# KiCad board demomatrix.kicad_pcb (continued)
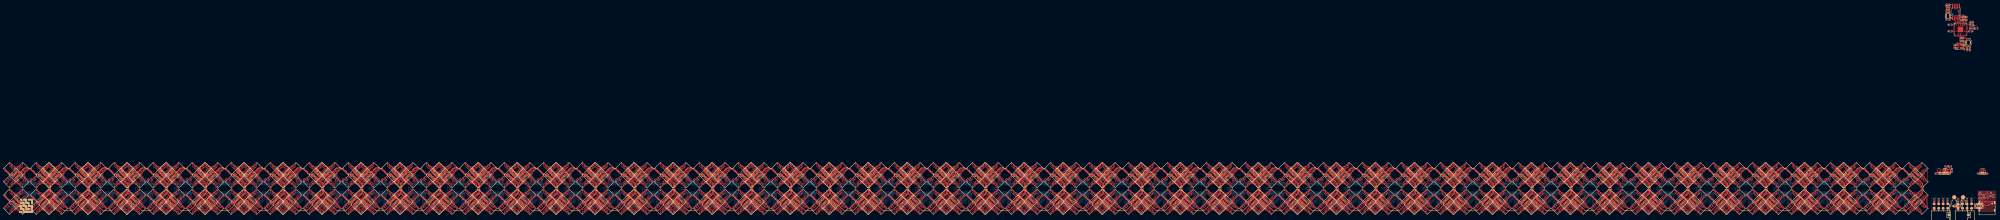
[diagram p0: board, top side]
## Routing (per net, layer and track width the routed paths; a pad name or vN(x,y) marks a point on that pad's centre or on a via; arc(x,y) is an arc through that point) (continued)
rgbs[2]-anodes-anode-559: length 1.8
  Top w0.2: LED654.7 -312.47,6.23 -312.47,4.96 LED655.8
rgbs[2]-anodes-anode-560: length 9.5
  Top w0.2: LED658.3 -304.07,23.22 -304.42,23.22 -304.43,23.22 -305.07,23.22 -306.55,21.75 -306.55,21.5 -305.87,20.82 -305.87,20.36 -306.55,19.69 -306.55,19.44 -304.88,17.77 -304.26,17.77 LED659.4
rgbs[2]-anodes-anode-561: length 12.3
  Top w0.2: -303.51,17.12 -304.79,17.12 -306.95,19.28 -306.95,19.86 -306.27,20.53 -306.27,20.66 -306.95,21.33 -306.95,21.91 -304.78,24.08 -303.23,24.08 LED658.1
rgbs[2]-anodes-anode-562: length 3.7
  Top w0.2: LED659.6 -304.72,19.02 -304.72,20.02 -305.07,20.37 -305.07,20.81 -304.72,21.16 -304.72,22.18 LED658.5
rgbs[2]-anodes-anode-563: length 1.8
  Top w0.2: LED659.8 -305.47,19.96 -305.47,21.23 LED658.7
rgbs[2]-anodes-anode-564: length 9.5
  Top w0.2: LED663.4 -289.26,17.77 -289.88,17.77 -291.55,19.44 -291.55,19.69 -290.87,20.36 -290.87,20.82 -291.55,21.5 -291.55,21.75 -290.07,23.22 -289.43,23.22 -289.42,23.22 -289.07,23.22 LED662.3
rgbs[2]-anodes-anode-565: length 19.4
  Top w0.2: -288.51,17.12 -289.79,17.12 -291.95,19.28 -291.95,19.86 -291.27,20.53 -291.27,20.66 -291.95,21.33 -291.95,21.91 -289.78,24.08 -288.23,24.08 LED662.1 -287.73,23.58 -287.73,17.61 LED663.2
rgbs[2]-anodes-anode-566: length 3.7
  Top w0.2: LED662.5 -289.72,22.18 -289.72,21.16 -290.07,20.81 -290.07,20.37 -289.72,20.02 -289.72,19.02 LED663.6
rgbs[2]-anodes-anode-567: length 1.8
  Top w0.2: LED663.8 -290.47,19.96 -290.47,21.23 LED662.7
rgbs[2]-anodes-anode-568: length 9.5
  Top w0.2: LED666.3 -304.07,8.22 -304.42,8.22 -304.43,8.22 -305.07,8.22 -306.55,6.75 -306.55,6.5 -305.87,5.82 -305.87,5.36 -306.55,4.69 -306.55,4.44 -304.88,2.77 -304.26,2.77 LED667.4
rgbs[2]-anodes-anode-569: length 12.3
  Top w0.2: -303.51,2.12 -304.79,2.12 -306.95,4.28 -306.95,4.86 -306.27,5.53 -306.27,5.66 -306.95,6.33 -306.95,6.91 -304.78,9.08 -303.23,9.08 LED666.1
rgbs[2]-anodes-anode-570: length 3.7
  Top w0.2: LED666.5 -304.72,7.18 -304.72,6.16 -305.07,5.81 -305.07,5.37 -304.72,5.02 -304.72,4.02 LED667.6
rgbs[2]-anodes-anode-571: length 1.8
  Top w0.2: LED666.7 -305.47,6.23 -305.47,4.96 LED667.8
rgbs[2]-anodes-anode-572: length 14.9
  Top w0.2: -289.42,8.22 -289.07,8.22 LED670.3 -288.58,7.73 -288.58,3.46 LED671.4 -289.26,2.77 -289.88,2.77 -291.55,4.44 -291.55,4.69 -290.87,5.36 -290.87,5.82 -291.55,6.5 -291.55,6.75 -290.07,8.22 -289.43,8.22 -289.42,8.22
rgbs[2]-anodes-anode-573: length 19.4
  Top w0.2: -288.51,2.12 -289.79,2.12 -291.95,4.28 -291.95,4.86 -291.27,5.53 -291.27,5.66 -291.95,6.33 -291.95,6.91 -289.78,9.08 -288.23,9.08 LED670.1 -287.73,8.58 -287.73,2.61 LED671.2
rgbs[2]-anodes-anode-574: length 3.7
  Top w0.2: LED671.6 -289.72,4.02 -289.72,5.02 -290.07,5.37 -290.07,5.81 -289.72,6.16 -289.72,7.18 LED670.5
rgbs[2]-anodes-anode-575: length 1.8
  Top w0.2: LED671.8 -290.47,4.96 -290.47,6.23 LED670.7
rgbs[2]-anodes-anode-576: length 9.5
  Top w0.2: LED674.3 -282.07,23.22 -282.42,23.22 -282.43,23.22 -283.07,23.22 -284.55,21.75 -284.55,21.5 -283.87,20.82 -283.87,20.36 -284.55,19.69 -284.55,19.44 -282.88,17.77 -282.26,17.77 LED675.4
rgbs[2]-anodes-anode-577: length 12.3
  Top w0.2: -281.51,17.12 -282.79,17.12 -284.95,19.28 -284.95,19.86 -284.27,20.53 -284.27,20.66 -284.95,21.33 -284.95,21.91 -282.78,24.08 -281.23,24.08 LED674.1
rgbs[2]-anodes-anode-578: length 3.7
  Top w0.2: LED674.5 -282.72,22.18 -282.72,21.16 -283.07,20.81 -283.07,20.37 -282.72,20.02 -282.72,19.02 LED675.6
rgbs[2]-anodes-anode-579: length 1.8
  Top w0.2: LED674.7 -283.47,21.23 -283.47,19.96 LED675.8
rgbs[2]-anodes-anode-580: length 9.5
  Top w0.2: LED679.4 -267.26,17.77 -267.88,17.77 -269.55,19.44 -269.55,19.69 -268.87,20.36 -268.87,20.82 -269.55,21.5 -269.55,21.75 -268.07,23.22 -267.43,23.22 -267.42,23.22 -267.07,23.22 LED678.3
rgbs[2]-anodes-anode-581: length 19.4
  Top w0.2: -266.51,17.12 -267.79,17.12 -269.95,19.28 -269.95,19.86 -269.27,20.53 -269.27,20.66 -269.95,21.33 -269.95,21.91 -267.78,24.08 -266.23,24.08 LED678.1 -265.73,23.58 -265.73,17.61 LED679.2
rgbs[2]-anodes-anode-582: length 3.7
  Top w0.2: LED679.6 -267.72,19.02 -267.72,20.02 -268.07,20.37 -268.07,20.81 -267.72,21.16 -267.72,22.18 LED678.5
rgbs[2]-anodes-anode-583: length 1.8
  Top w0.2: LED679.8 -268.47,19.96 -268.47,21.23 LED678.7
rgbs[2]-anodes-anode-584: length 9.5
  Top w0.2: LED682.3 -282.07,8.22 -282.42,8.22 -282.43,8.22 -283.07,8.22 -284.55,6.75 -284.55,6.5 -283.87,5.82 -283.87,5.36 -284.55,4.69 -284.55,4.44 -282.88,2.77 -282.26,2.77 LED683.4
rgbs[2]-anodes-anode-585: length 12.3
  Top w0.2: LED682.1 -281.23,9.08 -282.78,9.08 -284.95,6.91 -284.95,6.33 -284.27,5.66 -284.27,5.53 -284.95,4.86 -284.95,4.28 -282.79,2.12 -281.51,2.12
rgbs[2]-anodes-anode-586: length 3.7
  Top w0.2: LED682.5 -282.72,7.18 -282.72,6.16 -283.07,5.81 -283.07,5.37 -282.72,5.02 -282.72,4.02 LED683.6
rgbs[2]-anodes-anode-587: length 1.8
  Top w0.2: LED683.8 -283.47,4.96 -283.47,6.23 LED682.7
rgbs[2]-anodes-anode-588: length 14.9
  Top w0.2: -267.42,8.22 -267.07,8.22 LED686.3 -266.58,7.73 -266.58,3.46 LED687.4 -267.26,2.77 -267.88,2.77 -269.55,4.44 -269.55,4.69 -268.87,5.36 -268.87,5.82 -269.55,6.5 -269.55,6.75 -268.07,8.22 -267.43,8.22 -267.42,8.22
rgbs[2]-anodes-anode-589: length 19.4
  Top w0.2: -266.51,2.12 -267.79,2.12 -269.95,4.28 -269.95,4.86 -269.27,5.53 -269.27,5.66 -269.95,6.33 -269.95,6.91 -267.78,9.08 -266.23,9.08 LED686.1 -265.73,8.58 -265.73,2.61 LED687.2
rgbs[2]-anodes-anode-590: length 3.7
  Top w0.2: LED687.6 -267.72,4.02 -267.72,5.02 -268.07,5.37 -268.07,5.81 -267.72,6.16 -267.72,7.18 LED686.5
rgbs[2]-anodes-anode-591: length 1.8
  Top w0.2: LED687.8 -268.47,4.96 -268.47,6.23 LED686.7
rgbs[2]-anodes-anode-592: length 9.5
  Top w0.2: LED691.4 -260.26,17.77 -260.88,17.77 -262.55,19.44 -262.55,19.69 -261.87,20.36 -261.87,20.82 -262.55,21.5 -262.55,21.75 -261.07,23.22 -260.43,23.22 -260.42,23.22 -260.07,23.22 LED690.3
rgbs[2]-anodes-anode-593: length 12.3
  Top w0.2: LED690.1 -259.23,24.08 -260.78,24.08 -262.95,21.91 -262.95,21.33 -262.27,20.66 -262.27,20.53 -262.95,19.86 -262.95,19.28 -260.79,17.12 -259.51,17.12
rgbs[2]-anodes-anode-594: length 3.7
  Top w0.2: LED691.6 -260.72,19.02 -260.72,20.02 -261.07,20.37 -261.07,20.81 -260.72,21.16 -260.72,22.18 LED690.5
rgbs[2]-anodes-anode-595: length 1.8
  Top w0.2: LED690.7 -261.47,21.23 -261.47,19.96 LED691.8
rgbs[2]-anodes-anode-596: length 9.5
  Top w0.2: LED694.3 -245.07,23.22 -245.42,23.22 -245.43,23.22 -246.07,23.22 -247.55,21.75 -247.55,21.5 -246.87,20.82 -246.87,20.36 -247.55,19.69 -247.55,19.44 -245.88,17.77 -245.26,17.77 LED695.4
rgbs[2]-anodes-anode-597: length 19.4
  Top w0.2: -244.51,17.12 -245.79,17.12 -247.95,19.28 -247.95,19.86 -247.27,20.53 -247.27,20.66 -247.95,21.33 -247.95,21.91 -245.78,24.08 -244.23,24.08 LED694.1 -243.73,23.58 -243.73,17.61 LED695.2
rgbs[2]-anodes-anode-598: length 3.7
  Top w0.2: LED695.6 -245.72,19.02 -245.72,20.02 -246.07,20.37 -246.07,20.81 -245.72,21.16 -245.72,22.18 LED694.5
rgbs[2]-anodes-anode-599: length 1.8
  Top w0.2: LED695.8 -246.47,19.96 -246.47,21.23 LED694.7
rgbs[2]-anodes-anode-600: length 9.5
  Top w0.2: LED699.4 -260.26,2.77 -260.88,2.77 -262.55,4.44 -262.55,4.69 -261.87,5.36 -261.87,5.82 -262.55,6.5 -262.55,6.75 -261.07,8.22 -260.43,8.22 -260.42,8.22 -260.07,8.22 LED698.3
rgbs[2]-anodes-anode-601: length 12.3
  Top w0.2: -259.51,2.12 -260.79,2.12 -262.95,4.28 -262.95,4.86 -262.27,5.53 -262.27,5.66 -262.95,6.33 -262.95,6.91 -260.78,9.08 -259.23,9.08 LED698.1
rgbs[2]-anodes-anode-602: length 3.7
  Top w0.2: LED698.5 -260.72,7.18 -260.72,6.16 -261.07,5.81 -261.07,5.37 -260.72,5.02 -260.72,4.02 LED699.6
rgbs[2]-anodes-anode-603: length 1.8
  Top w0.2: LED698.7 -261.47,6.23 -261.47,4.96 LED699.8
rgbs[2]-anodes-anode-604: length 14.9
  Top w0.2: -245.88,2.77 -247.55,4.44 -247.55,4.69 -246.87,5.36 -246.87,5.82 -247.55,6.5 -247.55,6.75 -246.07,8.22 -245.43,8.22 -245.42,8.22 -245.07,8.22 LED702.3 -244.58,7.73 -244.58,3.46 LED703.4 -245.26,2.77 -245.88,2.77
rgbs[2]-anodes-anode-605: length 19.4
  Top w0.2: -244.51,2.12 -245.79,2.12 -247.95,4.28 -247.95,4.86 -247.27,5.53 -247.27,5.66 -247.95,6.33 -247.95,6.91 -245.78,9.08 -244.23,9.08 LED702.1 -243.73,8.58 -243.73,2.61 LED703.2
rgbs[2]-anodes-anode-606: length 3.7
  Top w0.2: LED702.5 -245.72,7.18 -245.72,6.16 -246.07,5.81 -246.07,5.37 -245.72,5.02 -245.72,4.02 LED703.6
rgbs[2]-anodes-anode-607: length 1.8
  Top w0.2: LED703.8 -246.47,4.96 -246.47,6.23 LED702.7
rgbs[2]-anodes-anode-608: length 9.5
  Top w0.2: LED707.4 -238.26,17.77 -238.88,17.77 -240.55,19.44 -240.55,19.69 -239.87,20.36 -239.87,20.82 -240.55,21.5 -240.55,21.75 -239.07,23.22 -238.43,23.22 -238.42,23.22 -238.07,23.22 LED706.3
rgbs[2]-anodes-anode-609: length 12.3
  Top w0.2: -237.51,17.12 -238.79,17.12 -240.95,19.28 -240.95,19.86 -240.27,20.53 -240.27,20.66 -240.95,21.33 -240.95,21.91 -238.78,24.08 -237.23,24.08 LED706.1
rgbs[2]-anodes-anode-610: length 3.7
  Top w0.2: LED707.6 -238.72,19.02 -238.72,20.02 -239.07,20.37 -239.07,20.81 -238.72,21.16 -238.72,22.18 LED706.5
rgbs[2]-anodes-anode-611: length 1.8
  Top w0.2: LED706.7 -239.47,21.23 -239.47,19.96 LED707.8
rgbs[2]-anodes-anode-612: length 9.5
  Top w0.2: LED710.3 -223.07,23.22 -223.42,23.22 -223.43,23.22 -224.07,23.22 -225.55,21.75 -225.55,21.5 -224.87,20.82 -224.87,20.36 -225.55,19.69 -225.55,19.44 -223.88,17.77 -223.26,17.77 LED711.4
rgbs[2]-anodes-anode-613: length 19.4
  Top w0.2: -222.51,17.12 -223.79,17.12 -225.95,19.28 -225.95,19.86 -225.27,20.53 -225.27,20.66 -225.95,21.33 -225.95,21.91 -223.78,24.08 -222.23,24.08 LED710.1 -221.73,23.58 -221.73,17.61 LED711.2
rgbs[2]-anodes-anode-614: length 3.7
  Top w0.2: LED711.6 -223.72,19.02 -223.72,20.02 -224.07,20.37 -224.07,20.81 -223.72,21.16 -223.72,22.18 LED710.5
rgbs[2]-anodes-anode-615: length 1.8
  Top w0.2: LED710.7 -224.47,21.23 -224.47,19.96 LED711.8
rgbs[2]-anodes-anode-616: length 9.5
  Top w0.2: LED715.4 -238.26,2.77 -238.88,2.77 -240.55,4.44 -240.55,4.69 -239.87,5.36 -239.87,5.82 -240.55,6.5 -240.55,6.75 -239.07,8.22 -238.43,8.22 -238.42,8.22 -238.07,8.22 LED714.3
rgbs[2]-anodes-anode-617: length 12.3
  Top w0.2: -237.51,2.12 -238.79,2.12 -240.95,4.28 -240.95,4.86 -240.27,5.53 -240.27,5.66 -240.95,6.33 -240.95,6.91 -238.78,9.08 -237.23,9.08 LED714.1
rgbs[2]-anodes-anode-618: length 3.7
  Top w0.2: LED714.5 -238.72,7.18 -238.72,6.16 -239.07,5.81 -239.07,5.37 -238.72,5.02 -238.72,4.02 LED715.6
rgbs[2]-anodes-anode-619: length 1.8
  Top w0.2: LED714.7 -239.47,6.23 -239.47,4.96 LED715.8
rgbs[2]-anodes-anode-620: length 14.9
  Top w0.2: -223.88,2.77 -225.55,4.44 -225.55,4.69 -224.87,5.36 -224.87,5.82 -225.55,6.5 -225.55,6.75 -224.07,8.22 -223.43,8.22 -223.42,8.22 -223.07,8.22 LED718.3 -222.58,7.73 -222.58,3.46 LED719.4 -223.26,2.77 -223.88,2.77
rgbs[2]-anodes-anode-621: length 19.4
  Top w0.2: -222.51,2.12 -223.79,2.12 -225.95,4.28 -225.95,4.86 -225.27,5.53 -225.27,5.66 -225.95,6.33 -225.95,6.91 -223.78,9.08 -222.23,9.08 LED718.1 -221.73,8.58 -221.73,2.61 LED719.2
rgbs[2]-anodes-anode-622: length 3.7
  Top w0.2: LED719.6 -223.72,4.02 -223.72,5.02 -224.07,5.37 -224.07,5.81 -223.72,6.16 -223.72,7.18 LED718.5
rgbs[2]-anodes-anode-623: length 1.8
  Top w0.2: LED719.8 -224.47,4.96 -224.47,6.23 LED718.7
rgbs[2]-anodes-anode-624: length 9.5
  Top w0.2: LED723.4 -216.26,17.77 -216.88,17.77 -218.55,19.44 -218.55,19.69 -217.87,20.36 -217.87,20.82 -218.55,21.5 -218.55,21.75 -217.07,23.22 -216.43,23.22 -216.42,23.22 -216.07,23.22 LED722.3
rgbs[2]-anodes-anode-625: length 12.3
  Top w0.2: -215.51,17.12 -216.79,17.12 -218.95,19.28 -218.95,19.86 -218.27,20.53 -218.27,20.66 -218.95,21.33 -218.95,21.91 -216.78,24.08 -215.23,24.08 LED722.1
rgbs[2]-anodes-anode-626: length 3.7
  Top w0.2: LED723.6 -216.72,19.02 -216.72,20.02 -217.07,20.37 -217.07,20.81 -216.72,21.16 -216.72,22.18 LED722.5
rgbs[2]-anodes-anode-627: length 1.8
  Top w0.2: LED723.8 -217.47,19.96 -217.47,21.23 LED722.7
rgbs[2]-anodes-anode-628: length 9.5
  Top w0.2: LED727.4 -201.26,17.77 -201.88,17.77 -203.55,19.44 -203.55,19.69 -202.87,20.36 -202.87,20.82 -203.55,21.5 -203.55,21.75 -202.07,23.22 -201.43,23.22 -201.42,23.22 -201.07,23.22 LED726.3
rgbs[2]-anodes-anode-629: length 19.4
  Top w0.2: -200.51,17.12 -201.79,17.12 -203.95,19.28 -203.95,19.86 -203.27,20.53 -203.27,20.66 -203.95,21.33 -203.95,21.91 -201.78,24.08 -200.23,24.08 LED726.1 -199.73,23.58 -199.73,17.61 LED727.2
rgbs[2]-anodes-anode-630: length 3.7
  Top w0.2: LED727.6 -201.72,19.02 -201.72,20.02 -202.07,20.37 -202.07,20.81 -201.72,21.16 -201.72,22.18 LED726.5
rgbs[2]-anodes-anode-631: length 1.8
  Top w0.2: LED726.7 -202.47,21.23 -202.47,19.96 LED727.8
rgbs[2]-anodes-anode-632: length 9.5
  Top w0.2: LED730.3 -216.07,8.22 -216.42,8.22 -216.43,8.22 -217.07,8.22 -218.55,6.75 -218.55,6.5 -217.87,5.82 -217.87,5.36 -218.55,4.69 -218.55,4.44 -216.88,2.77 -216.26,2.77 LED731.4
rgbs[2]-anodes-anode-633: length 12.3
  Top w0.2: -215.51,2.12 -216.79,2.12 -218.95,4.28 -218.95,4.86 -218.27,5.53 -218.27,5.66 -218.95,6.33 -218.95,6.91 -216.78,9.08 -215.23,9.08 LED730.1
rgbs[2]-anodes-anode-634: length 3.7
  Top w0.2: LED730.5 -216.72,7.18 -216.72,6.16 -217.07,5.81 -217.07,5.37 -216.72,5.02 -216.72,4.02 LED731.6
rgbs[2]-anodes-anode-635: length 1.8
  Top w0.2: LED730.7 -217.47,6.23 -217.47,4.96 LED731.8
rgbs[2]-anodes-anode-636: length 14.9
  Top w0.2: -201.07,8.22 LED734.3 -200.58,7.73 -200.58,3.46 LED735.4 -201.26,2.77 -201.88,2.77 -203.55,4.44 -203.55,4.69 -202.87,5.36 -202.87,5.82 -203.55,6.5 -203.55,6.75 -202.07,8.22 -201.43,8.22 -201.42,8.22 -201.07,8.22
rgbs[2]-anodes-anode-637: length 19.4
  Top w0.2: -200.51,2.12 -201.79,2.12 -203.95,4.28 -203.95,4.86 -203.27,5.53 -203.27,5.66 -203.95,6.33 -203.95,6.91 -201.78,9.08 -200.23,9.08 LED734.1 -199.73,8.58 -199.73,2.61 LED735.2
rgbs[2]-anodes-anode-638: length 3.7
  Top w0.2: LED734.5 -201.72,7.18 -201.72,6.16 -202.07,5.81 -202.07,5.37 -201.72,5.02 -201.72,4.02 LED735.6
rgbs[2]-anodes-anode-639: length 1.8
  Top w0.2: LED734.7 -202.47,6.23 -202.47,4.96 LED735.8
rgbs[2]-anodes-anode-640: length 9.5
  Top w0.2: LED738.3 -194.07,23.22 -194.42,23.22 -194.43,23.22 -195.07,23.22 -196.55,21.75 -196.55,21.5 -195.87,20.82 -195.87,20.36 -196.55,19.69 -196.55,19.44 -194.88,17.77 -194.26,17.77 LED739.4
rgbs[2]-anodes-anode-641: length 12.3
  Top w0.2: -193.51,17.12 -194.79,17.12 -196.95,19.28 -196.95,19.86 -196.27,20.53 -196.27,20.66 -196.95,21.33 -196.95,21.91 -194.78,24.08 -193.23,24.08 LED738.1
rgbs[2]-anodes-anode-642: length 3.7
  Top w0.2: LED739.6 -194.72,19.02 -194.72,20.02 -195.07,20.37 -195.07,20.81 -194.72,21.16 -194.72,22.18 LED738.5
rgbs[2]-anodes-anode-643: length 1.8
  Top w0.2: LED738.7 -195.47,21.23 -195.47,19.96 LED739.8
rgbs[2]-anodes-anode-644: length 9.5
  Top w0.2: LED743.4 -179.26,17.77 -179.88,17.77 -181.55,19.44 -181.55,19.69 -180.87,20.36 -180.87,20.82 -181.55,21.5 -181.55,21.75 -180.07,23.22 -179.43,23.22 -179.42,23.22 -179.07,23.22 LED742.3
rgbs[2]-anodes-anode-645: length 19.4
  Top w0.2: -178.51,17.12 -179.79,17.12 -181.95,19.28 -181.95,19.86 -181.27,20.53 -181.27,20.66 -181.95,21.33 -181.95,21.91 -179.78,24.08 -178.23,24.08 LED742.1 -177.73,23.58 -177.73,17.61 LED743.2
rgbs[2]-anodes-anode-646: length 3.7
  Top w0.2: LED743.6 -179.72,19.02 -179.72,20.02 -180.07,20.37 -180.07,20.81 -179.72,21.16 -179.72,22.18 LED742.5
rgbs[2]-anodes-anode-647: length 1.8
  Top w0.2: LED742.7 -180.47,21.23 -180.47,19.96 LED743.8
rgbs[2]-anodes-anode-648: length 9.5
  Top w0.2: LED746.3 -194.07,8.22 -194.42,8.22 -194.43,8.22 -195.07,8.22 -196.55,6.75 -196.55,6.5 -195.87,5.82 -195.87,5.36 -196.55,4.69 -196.55,4.44 -194.88,2.77 -194.26,2.77 LED747.4
rgbs[2]-anodes-anode-649: length 12.3
  Top w0.2: -193.51,2.12 -194.79,2.12 -196.95,4.28 -196.95,4.86 -196.27,5.53 -196.27,5.66 -196.95,6.33 -196.95,6.91 -194.78,9.08 -193.23,9.08 LED746.1
rgbs[2]-anodes-anode-650: length 3.7
  Top w0.2: LED747.6 -194.72,4.02 -194.72,5.02 -195.07,5.37 -195.07,5.81 -194.72,6.16 -194.72,7.18 LED746.5
rgbs[2]-anodes-anode-651: length 1.8
  Top w0.2: LED746.7 -195.47,6.23 -195.47,4.96 LED747.8
rgbs[2]-anodes-anode-652: length 14.9
  Top w0.2: -179.43,8.22 -179.42,8.22 -179.07,8.22 LED750.3 -178.58,7.73 -178.58,3.46 LED751.4 -179.26,2.77 -179.88,2.77 -181.55,4.44 -181.55,4.69 -180.87,5.36 -180.87,5.82 -181.55,6.5 -181.55,6.75 -180.07,8.22 -179.43,8.22
rgbs[2]-anodes-anode-653: length 19.4
  Top w0.2: -178.51,2.12 -179.79,2.12 -181.95,4.28 -181.95,4.86 -181.27,5.53 -181.27,5.66 -181.95,6.33 -181.95,6.91 -179.78,9.08 -178.23,9.08 LED750.1 -177.73,8.58 -177.73,2.61 LED751.2
rgbs[2]-anodes-anode-654: length 3.7
  Top w0.2: LED750.5 -179.72,7.18 -179.72,6.16 -180.07,5.81 -180.07,5.37 -179.72,5.02 -179.72,4.02 LED751.6
rgbs[2]-anodes-anode-655: length 1.8
  Top w0.2: LED751.8 -180.47,4.96 -180.47,6.23 LED750.7
rgbs[2]-anodes-anode-656: length 9.5
  Top w0.2: LED754.3 -172.07,23.22 -172.42,23.22 -172.43,23.22 -173.07,23.22 -174.55,21.75 -174.55,21.5 -173.87,20.82 -173.87,20.36 -174.55,19.69 -174.55,19.44 -172.88,17.77 -172.26,17.77 LED755.4
rgbs[2]-anodes-anode-657: length 12.3
  Top w0.2: LED754.1 -171.23,24.08 -172.78,24.08 -174.95,21.91 -174.95,21.33 -174.27,20.66 -174.27,20.53 -174.95,19.86 -174.95,19.28 -172.79,17.12 -171.51,17.12
rgbs[2]-anodes-anode-658: length 3.7
  Top w0.2: LED755.6 -172.72,19.02 -172.72,20.02 -173.07,20.37 -173.07,20.81 -172.72,21.16 -172.72,22.18 LED754.5
rgbs[2]-anodes-anode-659: length 1.8
  Top w0.2: LED754.7 -173.47,21.23 -173.47,19.96 LED755.8
rgbs[2]-anodes-anode-660: length 9.5
  Top w0.2: LED758.3 -157.07,23.22 -157.42,23.22 -157.43,23.22 -158.07,23.22 -159.55,21.75 -159.55,21.5 -158.87,20.82 -158.87,20.36 -159.55,19.69 -159.55,19.44 -157.88,17.77 -157.26,17.77 LED759.4
rgbs[2]-anodes-anode-661: length 19.4
  Top w0.2: -156.51,17.12 -157.79,17.12 -159.95,19.28 -159.95,19.86 -159.27,20.53 -159.27,20.66 -159.95,21.33 -159.95,21.91 -157.78,24.08 -156.23,24.08 LED758.1 -155.73,23.58 -155.73,17.61 LED759.2
rgbs[2]-anodes-anode-662: length 3.7
  Top w0.2: LED758.5 -157.72,22.18 -157.72,21.16 -158.07,20.81 -158.07,20.37 -157.72,20.02 -157.72,19.02 LED759.6
rgbs[2]-anodes-anode-663: length 1.8
  Top w0.2: LED758.7 -158.47,21.23 -158.47,19.96 LED759.8
rgbs[2]-anodes-anode-664: length 9.5
  Top w0.2: LED762.3 -172.07,8.22 -172.42,8.22 -172.43,8.22 -173.07,8.22 -174.55,6.75 -174.55,6.5 -173.87,5.82 -173.87,5.36 -174.55,4.69 -174.55,4.44 -172.88,2.77 -172.26,2.77 LED763.4
rgbs[2]-anodes-anode-665: length 12.3
  Top w0.2: -171.51,2.12 -172.79,2.12 -174.95,4.28 -174.95,4.86 -174.27,5.53 -174.27,5.66 -174.95,6.33 -174.95,6.91 -172.78,9.08 -171.23,9.08 LED762.1
rgbs[2]-anodes-anode-666: length 3.7
  Top w0.2: LED762.5 -172.72,7.18 -172.72,6.16 -173.07,5.81 -173.07,5.37 -172.72,5.02 -172.72,4.02 LED763.6
rgbs[2]-anodes-anode-667: length 1.8
  Top w0.2: LED762.7 -173.47,6.23 -173.47,4.96 LED763.8
rgbs[2]-anodes-anode-668: length 14.9
  Top w0.2: -156.58,3.46 LED767.4 -157.26,2.77 -157.88,2.77 -159.55,4.44 -159.55,4.69 -158.87,5.36 -158.87,5.82 -159.55,6.5 -159.55,6.75 -158.07,8.22 -157.43,8.22 -157.42,8.22 -157.07,8.22 LED766.3 -156.58,7.73 -156.58,3.46
rgbs[2]-anodes-anode-669: length 19.4
  Top w0.2: LED767.2 -155.73,2.61 -155.73,8.58 LED766.1 -156.23,9.08 -157.78,9.08 -159.95,6.91 -159.95,6.33 -159.27,5.66 -159.27,5.53 -159.95,4.86 -159.95,4.28 -157.79,2.12 -156.51,2.12
rgbs[2]-anodes-anode-670: length 3.7
  Top w0.2: LED766.5 -157.72,7.18 -157.72,6.16 -158.07,5.81 -158.07,5.37 -157.72,5.02 -157.72,4.02 LED767.6
rgbs[2]-anodes-anode-671: length 1.8
  Top w0.2: LED767.8 -158.47,4.96 -158.47,6.23 LED766.7
rgbs[2]-anodes-anode-672: length 9.5
  Top w0.2: LED771.4 -150.26,17.77 -150.88,17.77 -152.55,19.44 -152.55,19.69 -151.87,20.36 -151.87,20.82 -152.55,21.5 -152.55,21.75 -151.07,23.22 -150.43,23.22 -150.42,23.22 -150.07,23.22 LED770.3
rgbs[2]-anodes-anode-673: length 12.3
  Top w0.2: LED770.1 -149.23,24.08 -150.78,24.08 -152.95,21.91 -152.95,21.33 -152.27,20.66 -152.27,20.53 -152.95,19.86 -152.95,19.28 -150.79,17.12 -149.51,17.12
rgbs[2]-anodes-anode-674: length 3.7
  Top w0.2: LED771.6 -150.72,19.02 -150.72,20.02 -151.07,20.37 -151.07,20.81 -150.72,21.16 -150.72,22.18 LED770.5
rgbs[2]-anodes-anode-675: length 1.8
  Top w0.2: LED770.7 -151.47,21.23 -151.47,19.96 LED771.8
rgbs[2]-anodes-anode-676: length 9.5
  Top w0.2: LED774.3 -135.07,23.22 -135.42,23.22 -135.43,23.22 -136.07,23.22 -137.55,21.75 -137.55,21.5 -136.87,20.82 -136.87,20.36 -137.55,19.69 -137.55,19.44 -135.88,17.77 -135.26,17.77 LED775.4
rgbs[2]-anodes-anode-677: length 19.4
  Top w0.2: LED775.2 -133.73,17.61 -133.73,23.58 LED774.1 -134.23,24.08 -135.78,24.08 -137.95,21.91 -137.95,21.33 -137.27,20.66 -137.27,20.53 -137.95,19.86 -137.95,19.28 -135.79,17.12 -134.51,17.12
rgbs[2]-anodes-anode-678: length 3.7
  Top w0.2: LED775.6 -135.72,19.02 -135.72,20.02 -136.07,20.37 -136.07,20.81 -135.72,21.16 -135.72,22.18 LED774.5
rgbs[2]-anodes-anode-679: length 1.8
  Top w0.2: LED774.7 -136.47,21.23 -136.47,19.96 LED775.8
rgbs[2]-anodes-anode-680: length 9.5
  Top w0.2: LED779.4 -150.26,2.77 -150.88,2.77 -152.55,4.44 -152.55,4.69 -151.87,5.36 -151.87,5.82 -152.55,6.5 -152.55,6.75 -151.07,8.22 -150.43,8.22 -150.42,8.22 -150.07,8.22 LED778.3
rgbs[2]-anodes-anode-681: length 12.3
  Top w0.2: LED778.1 -149.23,9.08 -150.78,9.08 -152.95,6.91 -152.95,6.33 -152.27,5.66 -152.27,5.53 -152.95,4.86 -152.95,4.28 -150.79,2.12 -149.51,2.12
rgbs[2]-anodes-anode-682: length 3.7
  Top w0.2: LED778.5 -150.72,7.18 -150.72,6.16 -151.07,5.81 -151.07,5.37 -150.72,5.02 -150.72,4.02 LED779.6
rgbs[2]-anodes-anode-683: length 1.8
  Top w0.2: LED778.7 -151.47,6.23 -151.47,4.96 LED779.8
rgbs[2]-anodes-anode-684: length 14.9
  Top w0.2: LED782.3 -134.58,7.73 -134.58,3.46 LED783.4 -135.26,2.77 -135.88,2.77 -137.55,4.44 -137.55,4.69 -136.87,5.36 -136.87,5.82 -137.55,6.5 -137.55,6.75 -136.07,8.22 -135.43,8.22 -135.42,8.22 -135.07,8.22 LED782.3
rgbs[2]-anodes-anode-685: length 19.4
  Top w0.2: -134.51,2.12 -135.79,2.12 -137.95,4.28 -137.95,4.86 -137.27,5.53 -137.27,5.66 -137.95,6.33 -137.95,6.91 -135.78,9.08 -134.23,9.08 LED782.1 -133.73,8.58 -133.73,2.61 LED783.2
rgbs[2]-anodes-anode-686: length 3.7
  Top w0.2: LED782.5 -135.72,7.18 -135.72,6.16 -136.07,5.81 -136.07,5.37 -135.72,5.02 -135.72,4.02 LED783.6
rgbs[2]-anodes-anode-687: length 1.8
  Top w0.2: LED782.7 -136.47,6.23 -136.47,4.96 LED783.8
rgbs[2]-anodes-anode-688: length 9.5
  Top w0.2: LED66.3 -128.07,23.22 -128.42,23.22 -128.43,23.22 -129.07,23.22 -130.55,21.75 -130.55,21.5 -129.87,20.82 -129.87,20.36 -130.55,19.69 -130.55,19.44 -128.88,17.77 -128.26,17.77 LED67.4
rgbs[2]-anodes-anode-689: length 12.3
  Top w0.2: LED66.1 -127.23,24.08 -128.78,24.08 -130.95,21.91 -130.95,21.33 -130.27,20.66 -130.27,20.53 -130.95,19.86 -130.95,19.28 -128.79,17.12 -127.51,17.12
rgbs[2]-anodes-anode-690: length 3.7
  Top w0.2: LED67.6 -128.72,19.02 -128.72,20.02 -129.07,20.37 -129.07,20.81 -128.72,21.16 -128.72,22.18 LED66.5
rgbs[2]-anodes-anode-691: length 1.8
  Top w0.2: LED67.8 -129.47,19.96 -129.47,21.23 LED66.7
rgbs[2]-anodes-anode-692: length 9.5
  Top w0.2: LED71.4 -113.26,17.77 -113.88,17.77 -115.55,19.44 -115.55,19.69 -114.87,20.36 -114.87,20.82 -115.55,21.5 -115.55,21.75 -114.07,23.22 -113.43,23.22 -113.42,23.22 -113.07,23.22 LED70.3
rgbs[2]-anodes-anode-693: length 19.4
  Top w0.2: -112.51,17.12 -113.79,17.12 -115.95,19.28 -115.95,19.86 -115.27,20.53 -115.27,20.66 -115.95,21.33 -115.95,21.91 -113.78,24.08 -112.23,24.08 LED70.1 -111.73,23.58 -111.73,17.61 LED71.2
rgbs[2]-anodes-anode-694: length 3.7
  Top w0.2: LED71.6 -113.72,19.02 -113.72,20.02 -114.07,20.37 -114.07,20.81 -113.72,21.16 -113.72,22.18 LED70.5
rgbs[2]-anodes-anode-695: length 1.8
  Top w0.2: LED70.7 -114.47,21.23 -114.47,19.96 LED71.8
rgbs[2]-anodes-anode-696: length 9.5
  Top w0.2: LED75.4 -128.26,2.77 -128.88,2.77 -130.55,4.44 -130.55,4.69 -129.87,5.36 -129.87,5.82 -130.55,6.5 -130.55,6.75 -129.07,8.22 -128.43,8.22 -128.42,8.22 -128.07,8.22 LED74.3
rgbs[2]-anodes-anode-697: length 12.3
  Top w0.2: -127.51,2.12 -128.79,2.12 -130.95,4.28 -130.95,4.86 -130.27,5.53 -130.27,5.66 -130.95,6.33 -130.95,6.91 -128.78,9.08 -127.23,9.08 LED74.1
rgbs[2]-anodes-anode-698: length 3.7
  Top w0.2: LED75.6 -128.72,4.02 -128.72,5.02 -129.07,5.37 -129.07,5.81 -128.72,6.16 -128.72,7.18 LED74.5
rgbs[2]-anodes-anode-699: length 1.8
  Top w0.2: LED74.7 -129.47,6.23 -129.47,4.96 LED75.8
rgbs[2]-anodes-anode-700: length 14.9
  Top w0.2: -112.58,3.46 LED79.4 -113.26,2.77 -113.88,2.77 -115.55,4.44 -115.55,4.69 -114.87,5.36 -114.87,5.82 -115.55,6.5 -115.55,6.75 -114.07,8.22 -113.43,8.22 -113.42,8.22 -113.07,8.22 LED78.3 -112.58,7.73 -112.58,3.46
rgbs[2]-anodes-anode-701: length 19.4
  Top w0.2: LED79.2 -111.73,2.61 -111.73,8.58 LED78.1 -112.23,9.08 -113.78,9.08 -115.95,6.91 -115.95,6.33 -115.27,5.66 -115.27,5.53 -115.95,4.86 -115.95,4.28 -113.79,2.12 -112.51,2.12
rgbs[2]-anodes-anode-702: length 3.7
  Top w0.2: LED78.5 -113.72,7.18 -113.72,6.16 -114.07,5.81 -114.07,5.37 -113.72,5.02 -113.72,4.02 LED79.6
rgbs[2]-anodes-anode-703: length 1.8
  Top w0.2: LED78.7 -114.47,6.23 -114.47,4.96 LED79.8
